# Altium PCB PFC_Interleaved_V8.1.PcbDoc (part 1 of 3) (continued)
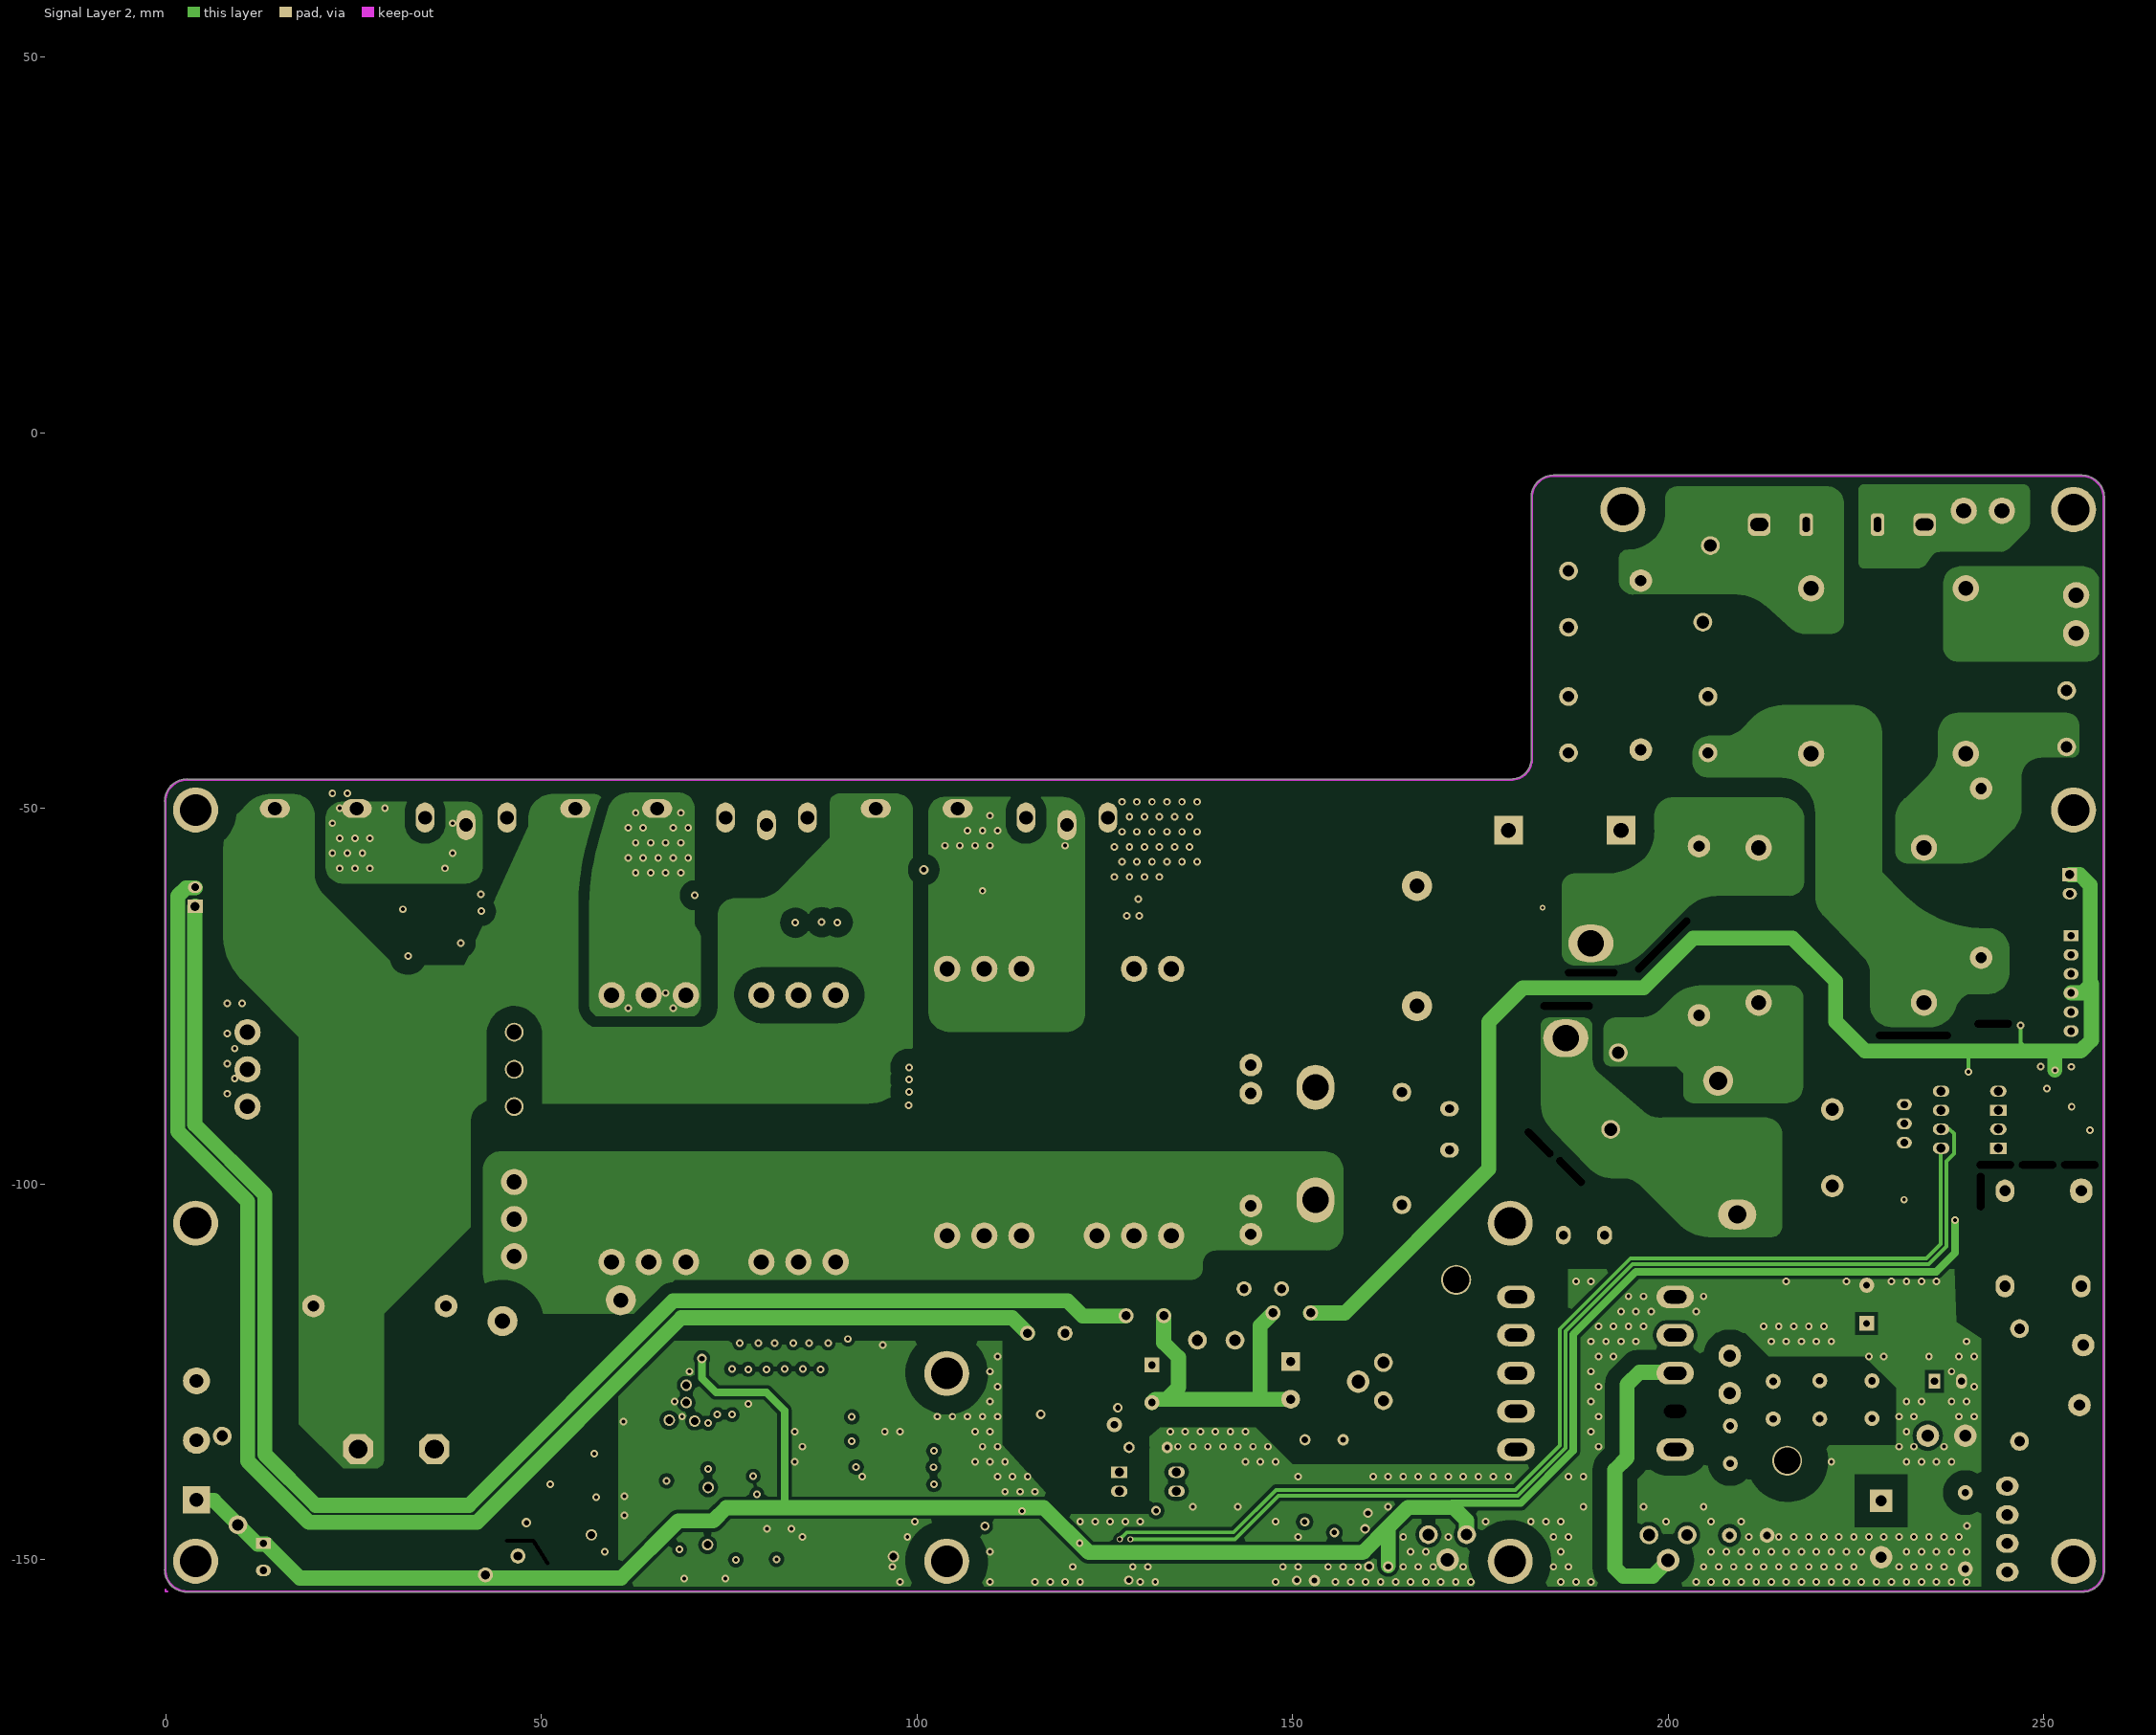
[diagram p3: Signal Layer 2]
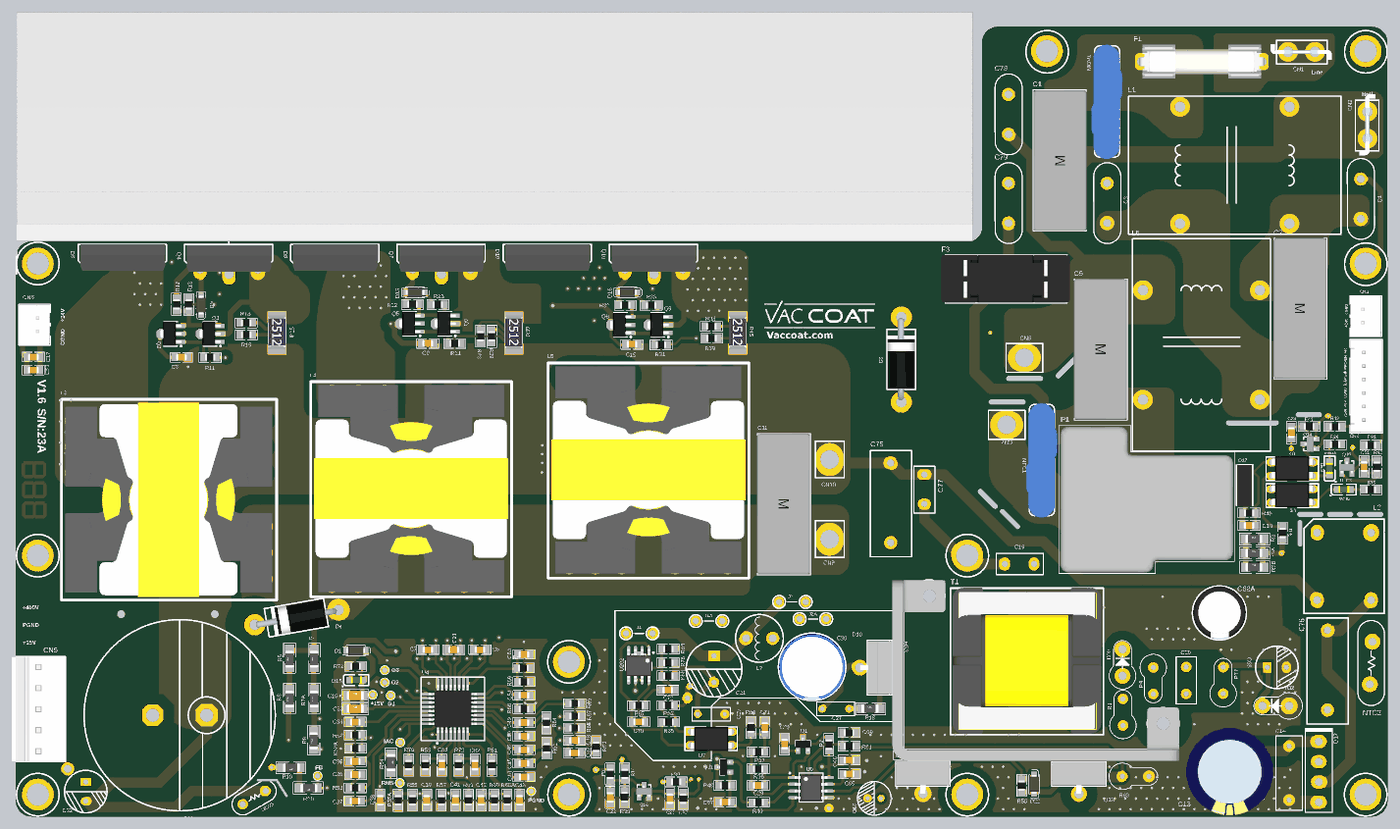
[diagram p6: 3D render of the assembled board from above, using the file's embedded part models]
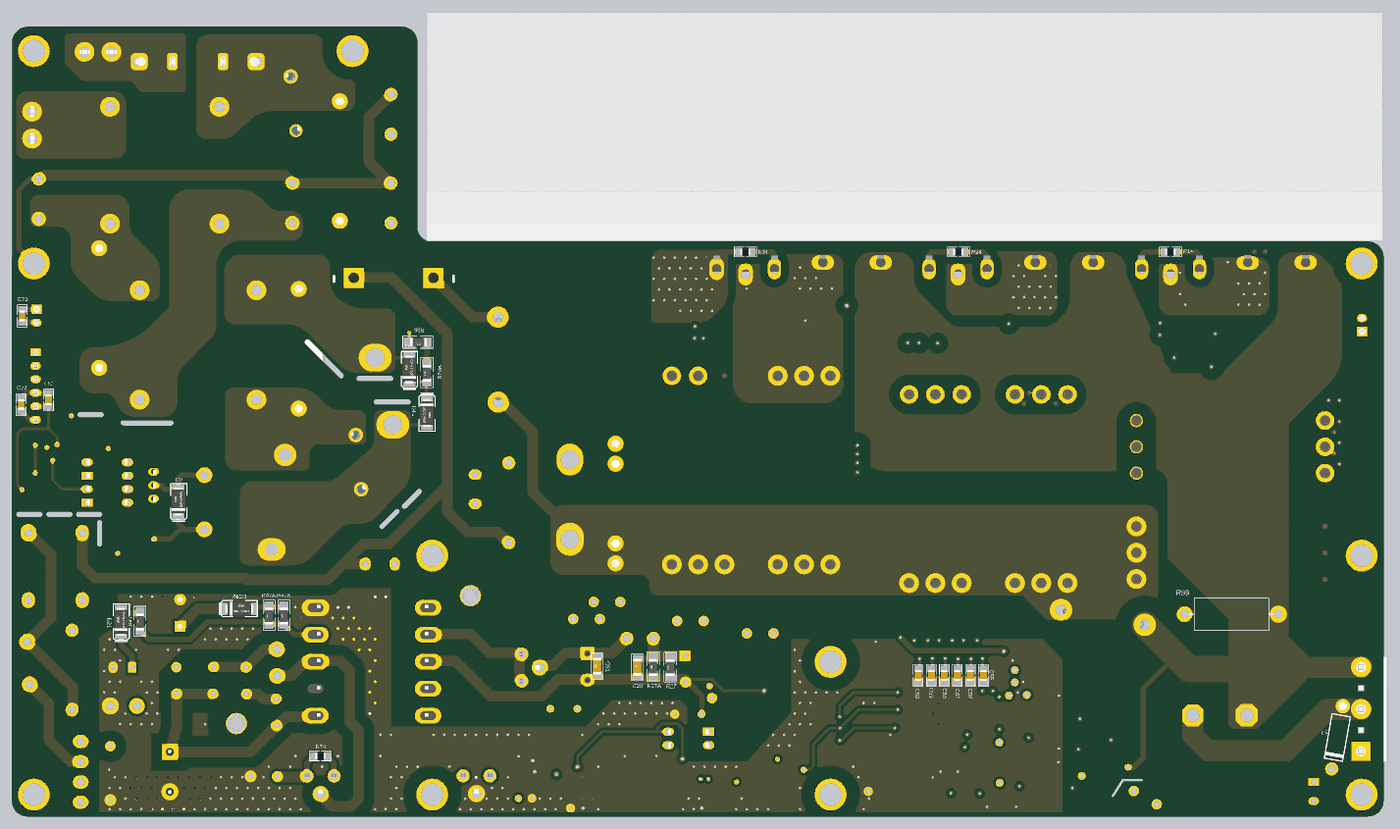
[diagram p7: 3D render of the assembled board from below, using the file's embedded part models]

## Layer stack, top to bottom
Top Solder: solder mask 0.0102, Solder Resist, Dk 3.5
Top Layer: signal copper 0.052
Dielectric1: core 0.254, FR-4, Dk 4.2
Signal Layer 1: signal copper 0.035
Dielectric 3: prepreg 0.127, Dk 4.2
Signal Layer 2: signal copper 0.035
Dielectric 2: core 0.254, Dk 4.2
Bottom Layer: signal copper 0.052
Bottom Solder: solder mask 0.0102, Solder Resist, Dk 3.5

## Board outline
-0.149,-151.306 -0.149,-49.083 -0.157,-49.039 cw(c2.815,-49.039) 2.815,-46.067 2.861,-46.076 179.074,-46.076 ccw(c179.074,-43.358) 181.791,-43.358 181.792,-43.351 181.792,-8.663 181.766,-8.586 cw(c184.738,-8.586) 184.738,-5.613 255.108,-5.613 255.164,-5.626 cw(c255.108,-8.598) 258.077,-8.47 258.08,-8.496 258.08,-48.972 258.105,-49.048 258.105,-151.358 cw(c255.133,-151.358) 255.133,-154.33 2.815,-154.33 2.768,-154.321 cw(c2.815,-151.349)

## Design rules (kind name [scope] priority, off if disabled: settings)
Clearance Clearance_1 [(HasFootprint('R-1206') and (ObjectKind = 'Pad') And (PadShape_AllLayers = 'Rectangular'))and (InNetClass('HighVoltage')  or InNetClass('HighVoltage1'))] p1: gap=0.5 ignorepadtopadclearanceinfootprint=FALSE
Clearance PGND [InNet('PGND') vs InNetClass('LowVoltage') or InNetClass('HighVoltage')  or InNetClass('HighVoltage1')] p2: gap=2 ignorepadtopadclearanceinfootprint=FALSE
Clearance Keepout [All vs (OnLayer('Keep-Out Layer'))] p3: gap=0.5 ignorepadtopadclearanceinfootprint=FALSE
Clearance LV [InNetClass('LowVoltage')  or     InNet('CGND') vs InNetClass('HighVoltage')  or InNetClass('HighVoltage1')] p4: gap=2 ignorepadtopadclearanceinfootprint=FALSE
Clearance HV&D17 [InComponent('D17') or  InNet('NULL')    or InNet('NetD17_3')  or InNet('PGND') vs InNet('NULL')  or InNet('NetD17_3')   or InNet('PGND')] p5: gap=1 ignorepadtopadclearanceinfootprint=FALSE
Clearance HV [InNetClass('HighVoltage')  or InNetClass('HighVoltage1')] p6: gap=1.5 ignorepadtopadclearanceinfootprint=FALSE
Clearance Polygon [Inpoly] p7: gap=0.5 ignorepadtopadclearanceinfootprint=FALSE
Clearance [All] p8: gap=0.254 ignorepadtopadclearanceinfootprint=FALSE
DiffPairsRouting [All] p1: maxlimit=0.254 minlimit=0.254 mostfreqgap=0.254 toplayer_minwidth=0.381 toplayer_maxwidth=0.381 toplayer_prefwidth=0.381 midlayer1_minwidth=0.381 midlayer1_maxwidth=0.381 midlayer1_prefwidth=0.381 midlayer2_minwidth=0.381 midlayer2_maxwidth=0.381 midlayer2_prefwidth=0.381 bottomlayer_minwidth=0.381 bottomlayer_maxwidth=0.381 bottomlayer_prefwidth=0.381 maxuncoupledlength=12.7
Height [All] p1: minheight=0 maxheight=254 prefheight=12.7
HoleSize [All] p1: absolutevalues=TRUE maxlimit=5 minlimit=0.025 maxpercent=80.000 minpercent=20.000
PlaneConnect [All] p1: planeconnectstyle=Direct reliefexpansion=0.508 reliefentries=4 reliefconductorwidth=0.254 reliefairgap=0.254
PolygonConnect [All] p1: connectstyle=Direct reliefconductorwidth=0.254 reliefentries=4 polygonreliefangle="90 Angle" airgapwidth=0.254
RoutingVias [All] p1: holewidth=0.406 width=0.762 viastyle="Through Hole" minholewidth=0.381 minwidth=0.635 maxholewidth=1.016 maxwidth=2.54
SilkToSilkClearance [All] p1: silktosilkclearance=0
SilkToSolderMaskClearance [IsPad] p1: minsilkscreentomaskgap=0 clearancetoexposedcopper=TRUE
SolderMaskExpansion [All] p1: expansion=0.102 istentingtop=FALSE
SupplyNets "Schematic Supply Nets_27" [InNet('VRef')] p1: voltage=0.000
SupplyNets "Schematic Supply Nets_26" [InNet('+24V-SB')] p2: voltage=0.000
SupplyNets "Schematic Supply Nets_25" [InNet('Line1')] p3: voltage=0.000
SupplyNets "Schematic Supply Nets_24" [InNet('CGND2')] p4: voltage=0.000
SupplyNets "Schematic Supply Nets_23" [InNet('OPFC1')] p5: voltage=0.000
SupplyNets "Schematic Supply Nets_22" [InNet('DC Link')] p6: voltage=0.000
SupplyNets "Schematic Supply Nets_21" [InNet('VCC')] p7: voltage=0.000
SupplyNets "Schematic Supply Nets_20" [InNet('OPFC2')] p8: voltage=0.000
SupplyNets "Schematic Supply Nets_19" [InNet('+5V')] p9: voltage=0.000
SupplyNets "Schematic Supply Nets_18" [InNet('PFC-EN')] p10: voltage=0.000
SupplyNets "Schematic Supply Nets_17" [InNet('Relay-Inrush')] p11: voltage=0.000
SupplyNets "Schematic Supply Nets_16" [InNet('CM1')] p12: voltage=0.000
SupplyNets "Schematic Supply Nets_15" [InNet('VFB')] p13: voltage=0.000
SupplyNets "Schematic Supply Nets_14" [InNet('+15VD')] p14: voltage=0.000
SupplyNets "Schematic Supply Nets_13" [InNet('+15V')] p15: voltage=0.000
SupplyNets "Schematic Supply Nets_12" [InNet('PGND')] p16: voltage=0.000
SupplyNets "Schematic Supply Nets_11" [InNet('CS')] p17: voltage=0.000
SupplyNets "Schematic Supply Nets_10" [InNet('CGND1')] p18: voltage=0.000
SupplyNets "Schematic Supply Nets_9" [InNet('CGND')] p19: voltage=0.000
SupplyNets "Schematic Supply Nets_8" [InNet('Gate')] p20: voltage=0.000
SupplyNets "Schematic Supply Nets_7" [InNet('Earth2')] p21: voltage=0.000
SupplyNets "Schematic Supply Nets_6" [InNet('+24V-S')] p22: voltage=0.000
SupplyNets "Schematic Supply Nets_5" [InNet('OPFC3')] p23: voltage=0.000
SupplyNets "Schematic Supply Nets_4" [InNet('Null')] p24: voltage=0.000
SupplyNets "Schematic Supply Nets_3" [InNet('Earth')] p25: voltage=0.000
SupplyNets "Schematic Supply Nets_2" [InNet('HV')] p26: voltage=0.000
SupplyNets "Schematic Supply Nets_1" [InNet('BUS')] p27: voltage=0.000
SupplyNets "Schematic Supply Nets" [InNet('Line')] p28: voltage=0.000
Width [All] p1: maxlimit=10.16 minlimit=0.5 preferedwidth=0.635
24 further rules are at their usual default settings.

## Classes and differential pairs
net class LowVoltage: +24V-S +24V-SB CGND NetD18_1
net class HighVoltage1: NetC1_1 NetC2_1 NULL
net class HighVoltage: BUS "DC LINK" HV IAC_A LINE LINE1 NetC1_2 NetC2_2 NetC19_2 NetC26_1 NetC76_1 NetC76_2 NetD6_3 NetD8_3 NetD10_3 NetD17_2 NetD20_1 NetR1_2 NetR5_1 NetR7A_1 NetR10_1
differential pair CS3: +CS3_P -CS3_N
differential pair CS1: +CS1_P -CS1_N
differential pair CS2: +CS2_P -CS2_N

## Components (designator, comment, footprint, x,y, rotation, side; value= is the part's Value field where it differs from the comment)
C1 "1uf, 275VAC, MKP" CAP-15mm-22mm-MKT-Qourum 196.367,-30.912 r90 top
C2 "1uf, 275VAC, MKP" CAP-15mm-22mm-MKT-Qourum 241.681,-58.598 r270 top
C3 "2.2nf, 250Vac X1Y2" CAP-RAD-7.5MM-PFC 205.308,-38.837 r270 top
C4 "2.2nf, 250Vac X1Y2" CAP-RAD-7.5MM-PFC 253.06,-38.049 r270 top
C5 "1uf, 275VAC, MKP" CAP-15mm-22mm-MKT-Qourum 204.114,-66.269 r270 top
C6 "2.2nf" C-0805 87.224,-122.911 r180 top
C7 "2.2nf" C-0805 77.419,-122.911 r180 top
C8 "1uf, 50V" C-0805 31.013,-67.843 r0 top
C9 "1uf, 50V" C-0805 77.394,-65.227 r0 top
C10 "100nf, 50V" C-0805 232.029,-99.517 r0 top
C11 "1uf, 630V, MPP" CAP-15MM-22MM-MKT-QOURUM-2 144.45,-95.402 r270 top
C12 "680uf, 450V" CAP-ELECTROLYTIC-680UF-2 30.683,-135.255 r0 top
C13 "100uf, 450V" "Cap RAD7.5-16x35-2" 228.371,-142.164 r90 top
C14 "100nf, 275VAC, MKP" RAD-0.4-AUX 239.573,-146.152 r90 top
C15 "1uf, 50V" C-0805 115.849,-65.405 r0 top
C16 "4.7uf, 50V" C-1206 63.754,-131.549 r0 top
C17 "1uf, 50V" C-0805 3.15,-67.843 r180 top
C18 "100uf, 35V~50V" CAP_ELECTROLYTIC5 162.738,-150.901 r180 top
C19 "2.2nf, X1Y2, 5mm" CAP-TH-5MM 188.798,-106.782 r0 top
C20 "1nf, 1000V" C-1206 140.335,-126.213 r90 bottom
C21 "2.2nf" C-0805 82.293,-122.907 r180 top
C22 "100nf, 50V" C-0805 111.76,-150.724 r270 top
C23 "100nf, 50V" C-0805 123.012,-150.978 r270 top
C24 "100nf, 50V" C-0805 240.005,-82.042 r270 top
C25 "1nf, 1KV" RAD-0.2-S-2 130.785,-135.052 r0 top
C26 "1nf, 1KV" "CAP RAD-0.2" 220.193,-126.162 r270 top
C27 "1nf, 1KV" RAD-0.2-S-2 154.203,-134.036 r0 top
C28 "1uf" C-0805 144.577,-140.665 r270 top
C29 "10nf" C-0805 139.611,-148.463 r0 top
C30 "1000uf, 50V" CAP-ELEC-12MM*25MM 149.758,-126.136 r90 top
C31 "470uf, 35V~50V" CAP_ELECTROLYTIC1 131.293,-124.079 r270 top
C32 "220uf, 35V~50V" CAP-ELEC-8MM*12MM 13.005,-149.631 r90 top
C33 "4.7uf, 50V" C-1206 63.754,-134.029 r0 top
C34 "470pf" C-0805 63.754,-136.559 r180 top
C35 "6.8nf" C-0805 63.754,-143.946 r0 top
C36 "68nf" C-0805 63.779,-146.425 r0 top
C37 "470nf" C-0805 63.678,-151.384 r0 top
C38 "68nf" C-0805 68.478,-151.257 r90 top
C39 "470nf" C-0805 77.191,-151.257 r90 top
C41 "10nf" C-0805 82.626,-151.257 r90 top
C42 "10nf" C-0805 87.452,-151.257 r90 top
C43 "100nf" C-0805 94.691,-151.257 r90 top
C44 "100nf" C-0805 95.529,-146.888 r180 top
C45 "3.3nf" C-0805 95.504,-144.326 r180 top
C46 "100pf" C-0805 95.504,-141.763 r180 top
C47 "3.3nf" C-0805 105.004,-142.316 r180 top
C48 "100pf" C-0805 105.029,-140.005 r180 top
C49 "3.3nf" C-0805 95.504,-136.638 r180 top
C50 "100pf" C-0805 95.504,-139.2 r180 top
C51 "100nf, 50V" C-0805 253.721,-88.443 r90 top
C52 "100nf, 50V" C-0805 251.231,-75.87 r90 bottom
C53 "1uf, 50V" C-0805 3.124,-70.282 r180 top
C54 "10nf" C-0805 95.504,-131.513 r180 top
C55 "2.2nf" C-0805 75.184,-127.762 r270 bottom
C56 "2.2nf" C-0805 77.638,-127.762 r270 bottom
C57 "2.2nf" C-0805 80.091,-127.762 r270 bottom
C58 "2.2nf" C-0805 82.545,-127.762 r270 bottom
C59 "2.2nf" C-0805 84.999,-127.762 r270 bottom
C60 "2.2nf" C-0805 87.452,-127.762 r270 bottom
C61 "1nf, 1000V" C-1206 147.904,-126.009 r90 bottom
C62 "100pf" C-0805 86.284,-144.653 r90 top
C63 "470pf" C-0805 95.504,-123.825 r180 top
C64 "470pf" C-0805 80.035,-144.653 r90 top
C65 "100nf, 50V" C-0805 156.769,-146.304 r180 top
C66 "100nf, 50V" C-0805 156.743,-143.713 r180 top
C67 "4.7nf, 50V" C-0805 133.375,-151.613 r0 top
C68 "220uf, 35V~50V" CAP-ELEC-8MM*12MM 237.261,-126.238 r180 top
C68A "470uf, 35V~50V" CAP-ELEC-10MM*20MM 226.441,-116.002 r270 top
C69 "330pf, 50V" R-0805 156.718,-138.532 r0 top
C70 "1nf" C-0805 117.119,-136.5 r0 top
C71 "10nf" C-0805 140.868,-137.566 r270 top
C72 "100nf||10nf" C-0805 122.58,-130.505 r0 top value=100nf||10nf
C73 "1uf, 50V" C-0805 256.159,-60.071 r270 bottom
C74 "1uf, 50V" C-0805 256.337,-76.759 r270 bottom
C75 "Cap 330nF, 275V MKP" CAP-X-2 164.567,-87.757 r180 top
C76 "Cap 330nF, 275V MKP" CAP-X-2 246.786,-119.253 r180 top
C77 "2.2nf, X1Y2, 5mm" CAP-TH-5MM 170.891,-92.71 r270 top
C78 "2.2nf, 250Vac X1Y2" CAP-RAD-7.5MM-PFC 186.741,-22.123 r270 top
C79 "2.2nf, 250Vac X1Y2" CAP-RAD-7.5MM-PFC 186.741,-38.837 r270 top
CN1 "Cable Lug" CONNECTOR-LUG 241.9,-10.351 r180 top
CN2 "Cable Lug" CONNECTOR-LUG 254.32,-24.143 r90 top
CN3 "XH-6Right-F/M" CONNECTOR-XH-6 253.644,-73.279 r270 top
CN4 "XH-2Right-F/M" CONNECTOR-XH-2 253.467,-60.071 r270 top
CN5 "VH-5" PWL_5 4.089,-134.112 r90 top
CN6 "XH-2-F/M" CONNECTOR-XH-2 3.912,-61.747 r90 top
CN7 "Hole-Wire" CONNECTOR-LUG-2 186.334,-80.645 r180 top
CN8 "Hole-Wire" CONNECTOR-LUG-2 189.662,-68.021 r180 top
CN9 "Hole-Wire" CONNECTOR-LUG-2 153.137,-102.159 r270 top
CN10 "Hole-Wire" CONNECTOR-LUG-2 153.137,-87.173 r270 top
D1 "1N4148" SOD-123-2 63.83,-123.088 r0 top
D2 "SS14" DO-214AC-SMA-2 226.746,-95.047 r90 bottom
D3 "1N5406 or 1N5408, 600V, 6A/8A" MUR460 166.573,-68.301 r90 top
D4 "1N5406 or 1N5408, 600V, 6A/8A" MUR460 52.705,-116.84 r190 top
D5 "1N5354, 17V" DIODE-AXIAL-12MM-1200V 8.56,-139.446 r100 bottom
D6 "DSEP30-06" TO247-2PIN-PFC-HC 19.975,-49.203 r0 top
D8 "DSEP30-06" TO247-2PIN-PFC-HC 59.975,-49.203 r0 top
D9 "1N4148" SOD-123-2 34.722,-57.988 r270 top
D10 "DSEP30-06" TO247-2PIN-PFC-HC 99.975,-49.203 r0 top
D12 "US1M(700V)" DO-214AC-SMA-2 179.984,-78.319 r270 bottom
D13 "1N4148" SOD-123-2 74.981,-55.651 r0 top
D14 "US1M(700V)" DO-214AC-SMA-2 183.286,-70.195 r90 bottom
D15 "Green" LED-0805 63.932,-128.651 r180 top
D16 "1N4148" SOD-123-2 114.986,-55.626 r0 top
D17 "KBP207(206)" DIODEBRIDGE_KBP210 245.161,-140.208 r270 top
D18 "CSF30L200CT" TO220F-BENT-LEG 160.426,-126.289 r270 top
D20 "BYV26E" DIODE_VERTICAL3 208.204,-127.838 r180 top
D21 "US1M(700V)" DO-214AC-SMA-2 237.566,-117.678 r90 bottom
D22 "1N4148" SOD-123-2 191.567,-148.26 r90 top
D215 "US1M" DO-214AC-SMA-2 215.341,-115.214 r180 bottom
F1 "20A, 250VAC-HV/HC" "Fuse 5x20_V2" 223.139,-12.192 r270 top
F3 "2A, 250Vac" "Fuse Combination" 178.751,-52.908 r0 top
HS1 "HS154Heatalum/HS134Ayda" HEATSINK-HC-1 179.984,-42.85 r0 top
HS2 "3mm Aluminium" HEATSINK-HC--PFC-2 179.984,-45.923 r0 top
HS3 "NSC-Heat Sink" HEATSINK12 171.78,-112.751 r270 top
J1 "Wire Jumper 5mm" JUMPER-5MM 117.221,-119.837 r180 top
J1A "Wire Jumper 5mm" JUMPER-5MM 130.353,-117.526 r0 top
J2 "Wire Jumper 5mm" JUMPER-5MM 146.05,-113.919 r0 top
J2A "Wire Jumper 5mm" JUMPER-5MM 149.911,-117.145 r180 top
L1 "3.3mH" "Common Mode inductor-3" 229.337,-31.699 r90 top
L2 "3.3mH" "Trans line small-2" 249.733,-107.569 r0 top
L3 "204uH-PQ3232(39.5Turn 30x0.2mm)" TRANS-PQ3535-2 28.626,-94.691 r0 top
L4 "204uH-PQ3232(39.5Turn 30x0.2mm)" TRANS-PQ3535-4 74.27,-92.608 r270 top
L5 "204uH-PQ3232(39.5Turn 30x0.2mm)" TRANS-PQ3535-6 118.936,-89.103 r270 top
L6 "3.3mH" "Common Mode inductor-3" 223.063,-65.532 r0 top
L7 "100uH, 9x12" INDUCTOR-BAR-P5-D10 142.342,-120.777 r270 top
LED1 "Green" LED-0805 247.167,-88.773 r270 top
LED3 "Green" LED-0805 249.885,-92.761 r180 top
MOV1 "470K 20D(300AC,385VDC)" VDR-20D 205.13,-20.091 r270 top
MOV3 "07D220K-5mm Space pin-14AC/18DC/22Var" VAR-7D-5MM-1200V 44.729,-150.759 r30 top
NTC1 "10D-20(10R-20mm)" VDR-20D 192.862,-87.605 r270 top
NTC2 "4.7D-15(4.7R-15mm)" NTC-8mm 255.016,-125.425 r270 top
P1 "832A-1A-S-BH, 12VDC, Song Chuan, 30A" 832A1AS12VDCVDE-K 210.464,-95.148 r0 top
Q1 "BC807" SOT-23 148.031,-140.741 r0 top
Q2 "BCX56" SOT89L-K 29.439,-63.449 r180 top
Q3 "BCX53" SOT89L-K 36.855,-63.449 r180 top
Q4 "IPW60R070" TO247-3PIN-PFC-HC-1 39.975,-49.203 r0 top
Q5 "BCX56" SOT89L-K 74.447,-61.519 r180 top
Q6 "BCX53" SOT89L-K 81.077,-61.519 r180 top
Q7 "IPW60R070" TO247-3PIN-PFC-HC-1 79.975,-49.203 r0 top
Q8 "BCX56" SOT89L-K 114.122,-61.747 r180 top
Q9 "BCX53" SOT89L-K 121.183,-61.747 r180 top
Q10 "IPW60R070" TO247-3PIN-PFC-HC-1 119.975,-49.203 r0 top
Q11 "BC817" SOT-23 133.096,-145.034 r90 top
Q13 "FCPF16N60(2SK3569)" TO220F-BENT-LEG 200,-148.387 r0 top
Q14 "BC817" MSOT-23 243.484,-84.176 r90 top
Q16 "BC817" MSOT-23 250.444,-88.544 r0 top
Q17 "BD137" BD137-K 231.445,-91.948 r90 top
Q18 "BC817" MSOT-23 118.11,-149.537 r0 top
R1 "10K, 2W" RESISTOR_VERTICAL3 208.28,-137.185 r180 top
R2 "1K" R-0805 152.931,-140.792 r90 top
R3 "100R" R-1206 232.918,-102.083 r0 top
R3A "100R" R-1206 232.918,-104.724 r0 top
R3B "100R" R-1206 232.943,-107.374 r0 top
R4 "10K, 2W" RESISTOR_VERTICAL3 213.995,-126.263 r0 top
R5 "1M" R-1206 51.384,-124.689 r90 top
R6 "1M" R-1206 51.384,-132.207 r90 top
R7 "6M" R-1206 56.007,-124.689 r90 top
R7A "0R" R-1206 56.007,-132.207 r90 top
R8 "470K" R-1206 55.931,-140.081 r90 top
R9 "1K" R-0805 111.76,-146.279 r90 top
R10 "2.2M" R-1206 51.74,-145.11 r180 top
R11 "470R" R-0805 36.424,-67.869 r180 top
R12 "10R" R-0805 30.099,-57.887 r90 top
R13 "2.2R" R-0805 32.385,-57.912 r270 top
R14 "10K" R-0805 39.98,-48.006 r0 bottom
R16 "10R" R-1206 160.655,-134.036 r0 top
R17 "10K" R-0805 114.478,-146.304 r90 top
R18 "470R" R-0805 43.205,-61.392 r180 top
R19 "470R" R-0805 43.231,-63.627 r180 top
R20 "1.5M" R-1206 55.016,-148.946 r180 top
R21 "470R" R-0805 82.474,-65.227 r180 top
R22 "10R" R-0805 74.525,-57.887 r180 top
R23 "2.2R" R-0805 79.299,-57.937 r0 top
R24 "10K" R-0805 79.908,-48.006 r0 bottom
R25 "20mOhm" R-2512 49.022,-63.271 r270 top
R26 "1K" R-0805 248.234,-84.277 r180 top
R27 "1K" R-1206 134.163,-126.289 r90 bottom
R27A "1K" R-1206 137.342,-126.263 r90 bottom
R28 "470R" R-0805 87.325,-63.881 r270 top
R29 "470R" R-0805 89.433,-63.906 r270 top
R30 "5.6K" R-0805 114.452,-150.673 r90 top
R31 "470R" R-0805 121.31,-65.507 r180 top
R32 "10R" R-0805 114.579,-58.039 r180 top
R33 "2.2R" R-0805 119.456,-58.09 r0 top
R34 "10K" R-0805 120.015,-48.006 r0 bottom
R35 "20mOhm" R-2512 93.624,-63.297 r270 top
R36 "47K" R-0805 139.611,-145.364 r0 top
R37 "47K" R-0805 139.611,-142.164 r180 top
R38 "470R" R-0805 130.785,-62.027 r180 top
R39 "470R" R-0805 130.835,-64.262 r180 top
R40 "47K" R-0805 139.675,-151.663 r0 top
R41 "1K" R-0805 238.354,-100.96 r90 top
R43 "1K" R-0805 248.183,-80.899 r0 top
R45 "20mOhm" R-2512 135.763,-63.271 r270 top
R46 "3.3K" R-0805 133.375,-148.463 r180 top
R47 "Short Cicuit" R-1206 234.003,-117.72 r90 bottom
R47A "0R" R-1206 209.702,-116.561 r90 bottom
R47B "0R" R-1206 206.908,-116.561 r90 bottom
R48 "10K" R-0805 232.029,-97.155 r180 top
R49 "10K" R-0805 243.357,-80.874 r180 top
R50 "22R" R-0805 189.205,-148.488 r270 top
R52 "33K" R-0805 63.754,-138.987 r180 top
R52A "82K" R-0805 63.779,-141.467 r180 top
R53 "120K" R-0805 63.729,-148.905 r180 top